# Altium PCB PCB1.PcbDoc (part 1 of 5) (continued)
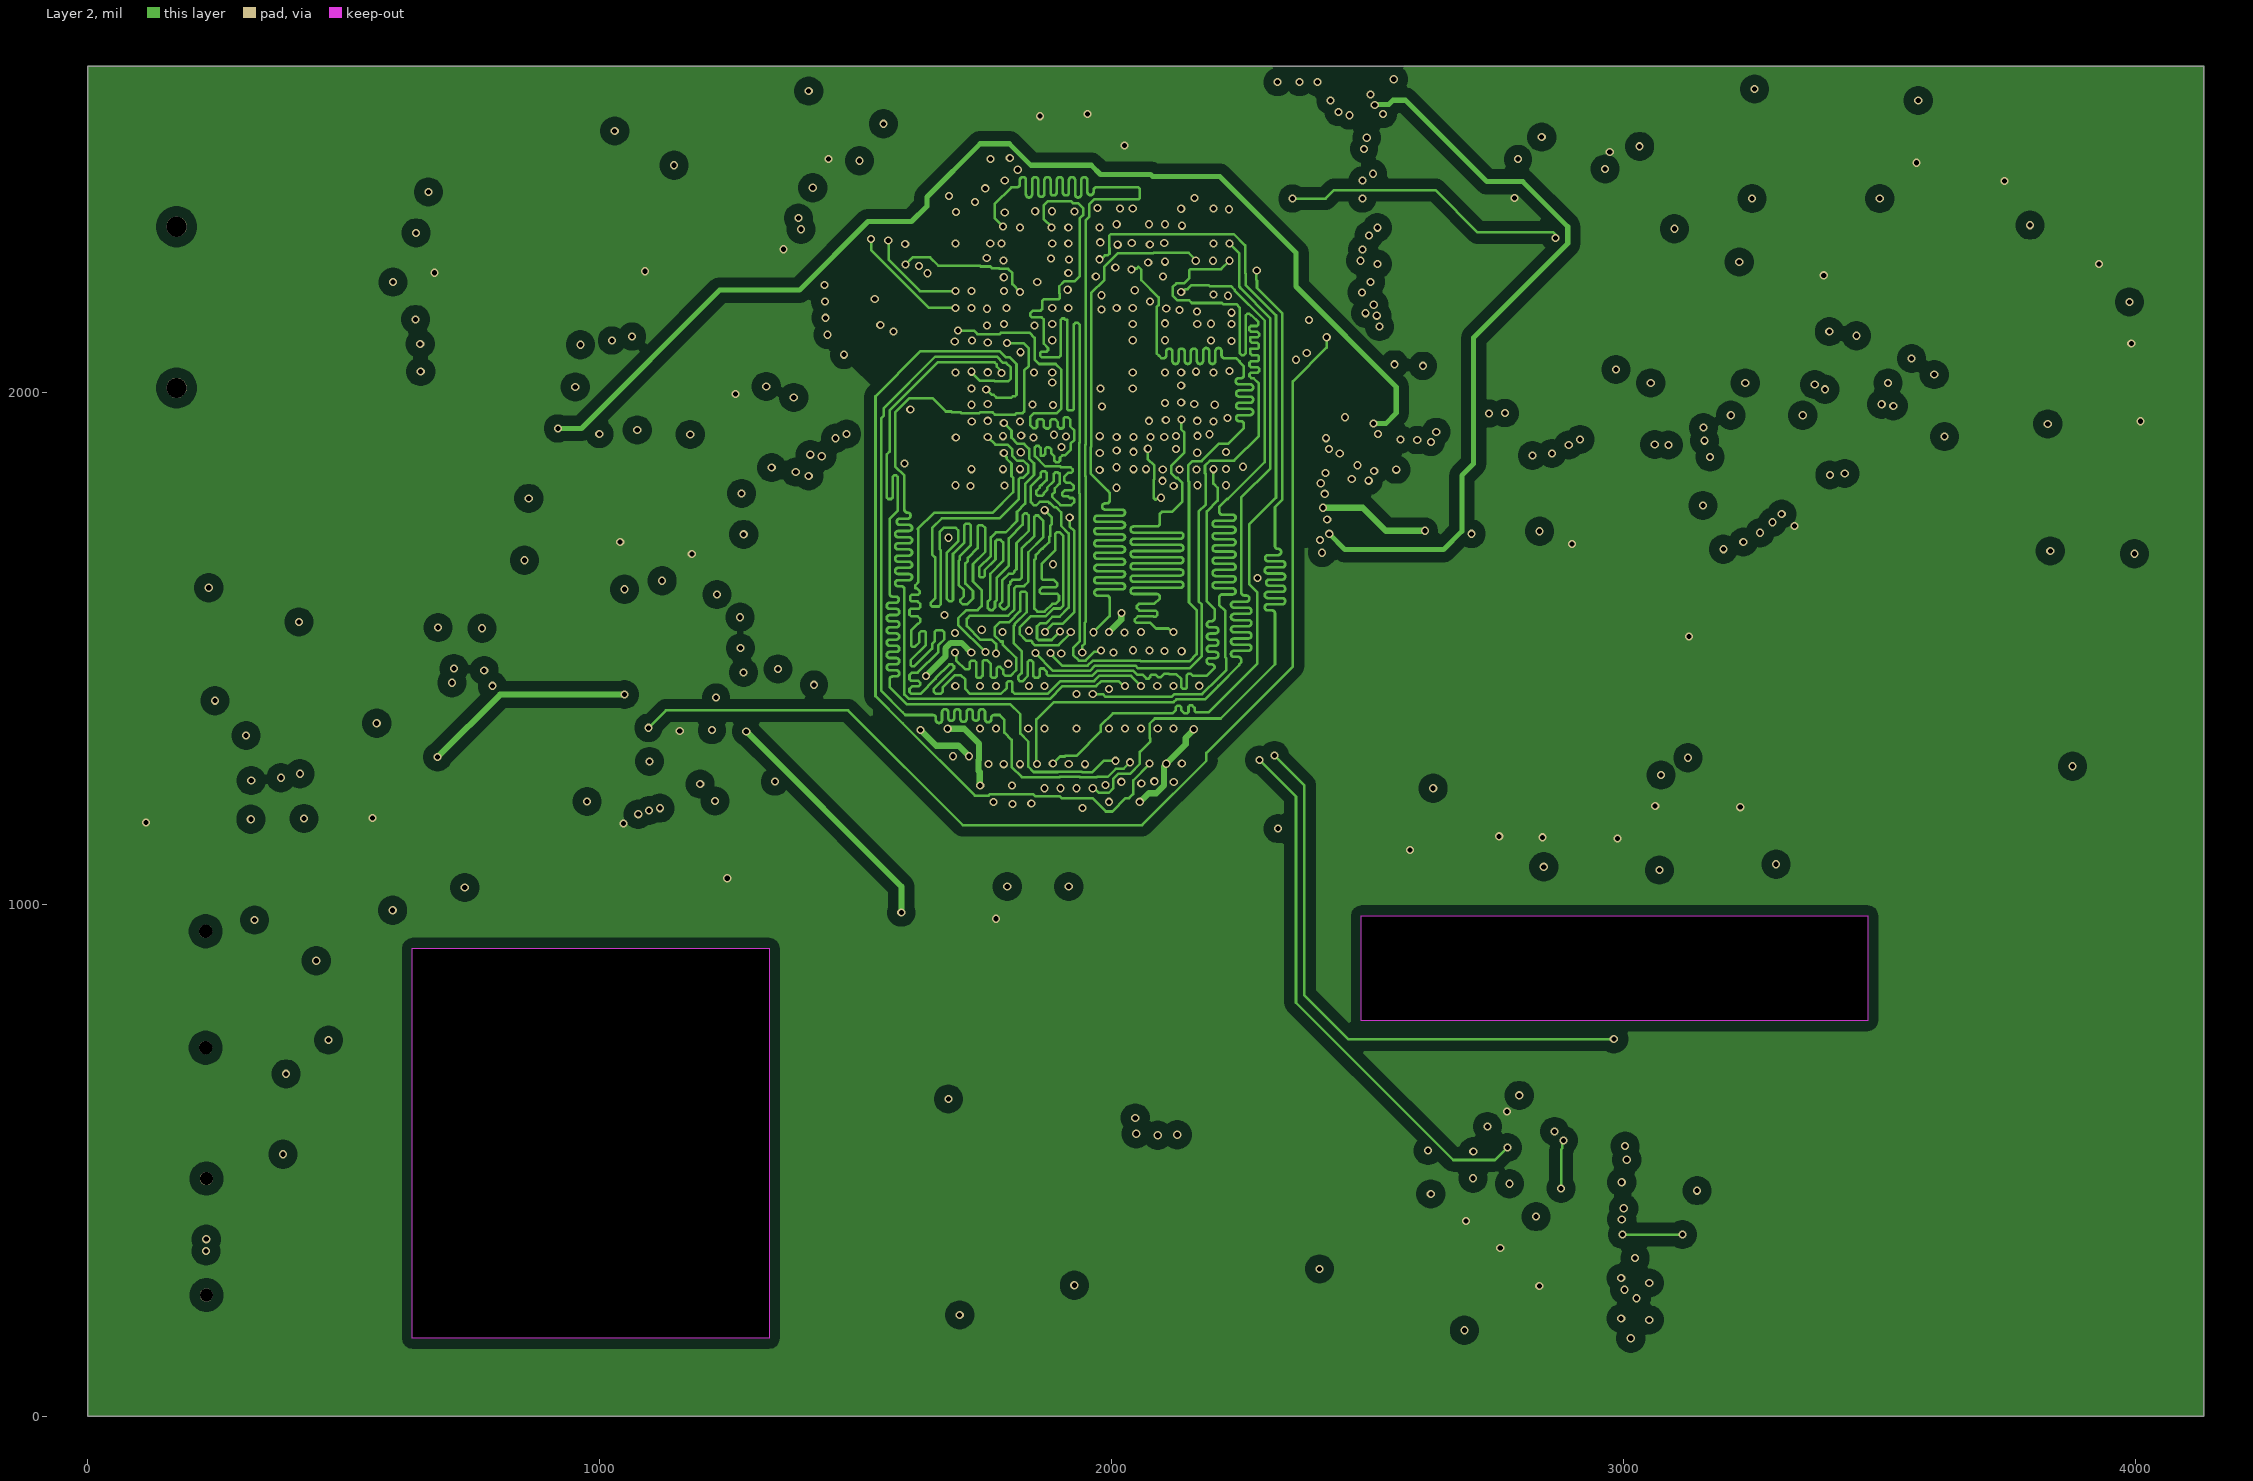
[diagram p4: Layer 2]
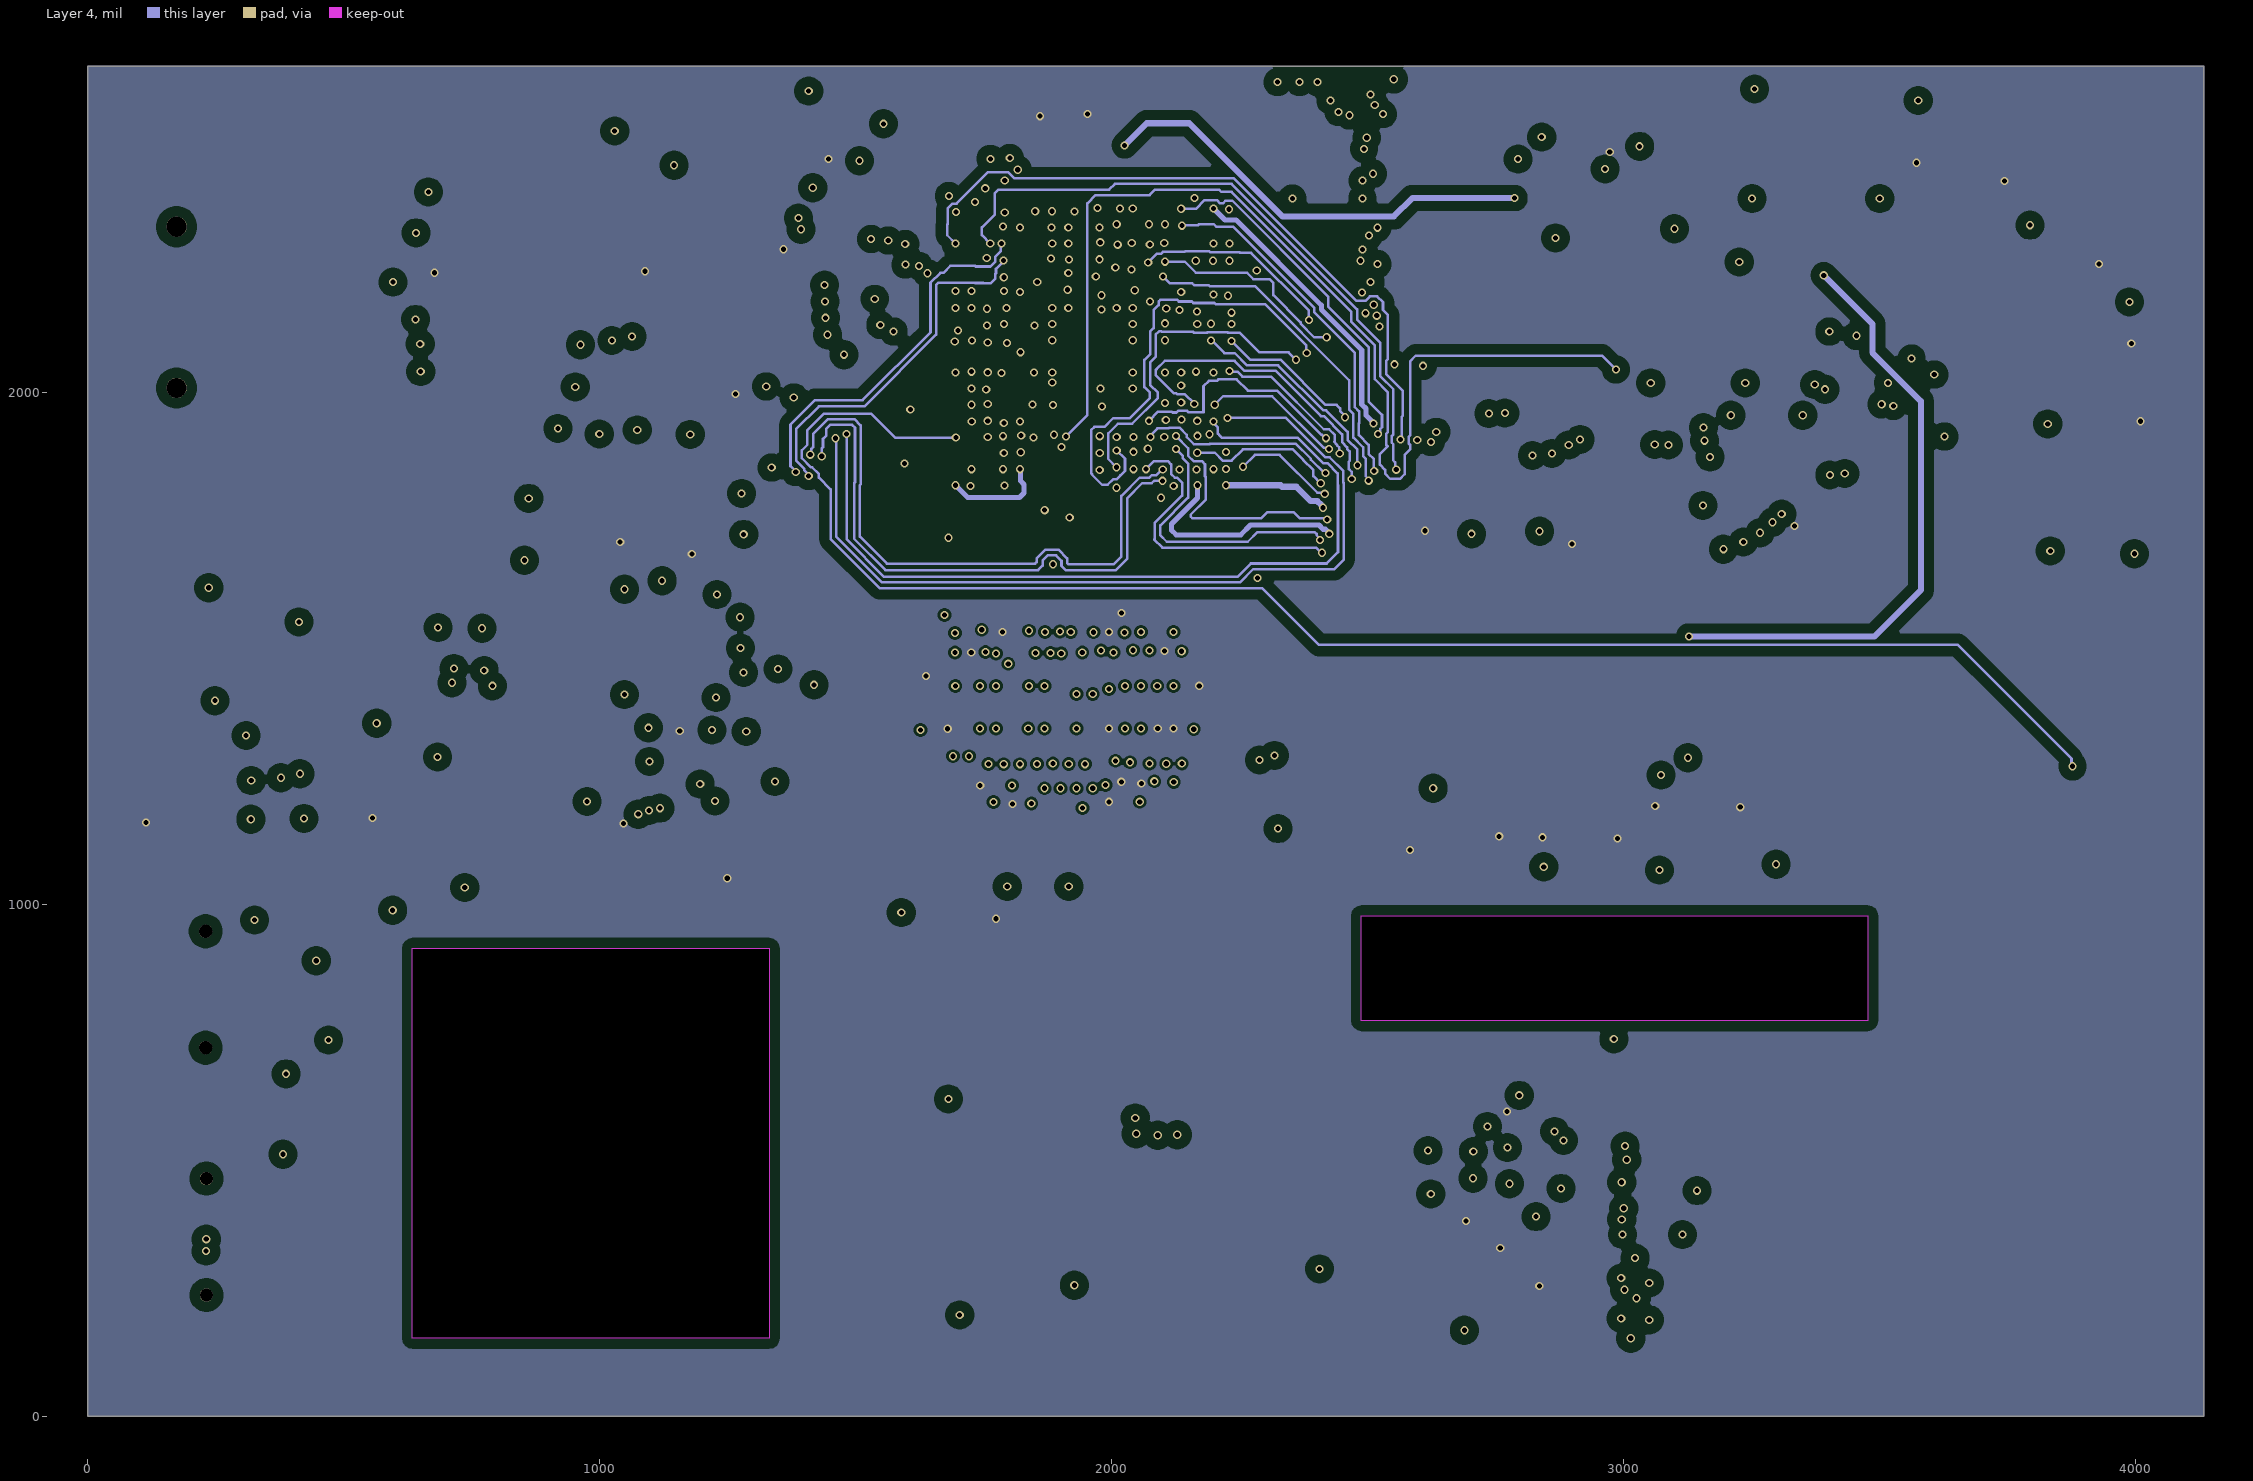
[diagram p5: Layer 4]

## Layer stack, top to bottom
Top Solder: solder mask 0.4, Solder Resist, Dk 3.5
Top Layer: signal copper 1.4
Dielectric 2: prepreg 2.8, PP-006, Dk 4.1
Layer 3: signal copper 1.378
Dielectric 4: prepreg 2.8, PP-006, Dk 4.1
Layer 1: signal copper 1.378
Dielectric 1: dielectric 12.6, FR-4, Dk 4.8
Layer 2: signal copper 1.378
Dielectric 5: prepreg 2.8, PP-006, Dk 4.1
Layer 4: signal copper 1.378
Dielectric 3: prepreg 2.8, PP-006, Dk 4.1
Bottom Layer: signal copper 1.4
Bottom Solder: solder mask 0.4, Solder Resist, Dk 3.5

## Board outline
0,0 0,2637.8 4133.86,2637.8 4133.86,0
cut-out: 634,152 634,914 1331,914 1331,152
cut-out: 2488,773 2488,978 3477,978 3477,773

## Design rules (kind name [scope] priority, off if disabled: settings)
Clearance bga_room [WithinRoom('Room_bga')] p1: gap=5 ignorepadtopadclearanceinfootprint=FALSE
Clearance poly-poly [inpoly] p2: gap=20 ignorepadtopadclearanceinfootprint=FALSE
Clearance inpoly [inpoly] p3: gap=20 ignorepadtopadclearanceinfootprint=FALSE
Clearance [All] p4: gap=6 ignorepadtopadclearanceinfootprint=FALSE
DiffPairsRouting [All] p1: maxlimit=5 minlimit=5 mostfreqgap=5 toplayer_minwidth=15 toplayer_maxwidth=15 toplayer_prefwidth=15 midlayer1_minwidth=15 midlayer1_maxwidth=15 midlayer1_prefwidth=15 midlayer2_minwidth=15 midlayer2_maxwidth=15 midlayer2_prefwidth=15 midlayer3_minwidth=15 midlayer3_maxwidth=15 midlayer3_prefwidth=15 midlayer4_minwidth=15 midlayer4_maxwidth=15 midlayer4_prefwidth=15 bottomlayer_minwidth=15 bottomlayer_maxwidth=15 bottomlayer_prefwidth=15 maxuncoupledlength=500
PlaneClearance [All] p1: clearance=5
PolygonConnect [All] p1: thpad.connectstyle=Relief thpad.reliefconductorwidth=10 thpad.reliefentries=4 thpad.polygonreliefangle="90 Angle" thpad.airgapwidth=10 smdpad.connectstyle=Relief smdpad.reliefconductorwidth=10 smdpad.reliefentries=4 smdpad.polygonreliefangle="90 Angle" smdpad.airgapwidth=10 via.connectstyle=Direct via.reliefconductorwidth=10 via.reliefentries=4 via.polygonreliefangle="90 Angle" via.airgapwidth=10
RoomDefinition Room_bga_1 [InComponentClass('Room Definition 1')] p1: confinementstyle=ConfineIn formatcopy=TRUE lockcomponents=FALSE outline 1636.54,1760.55 1636.54,2412.44 2288.43,2412.44 2288.43,1760.55
RoomDefinition Room_bga [InComponentClass('Room Definition 2')] p2: confinementstyle=ConfineIn formatcopy=TRUE lockcomponents=FALSE outline 1591.77,1175.2 1591.77,1594.8 2208.23,1594.8 2208.23,1175.2
RoutingVias 16-8 [WithinRoom('Room_bga')] p1: holewidth=8 width=16 viastyle="Through Hole" minholewidth=8 minwidth=16 maxholewidth=10 maxwidth=16
RoutingVias [All] p2: holewidth=8 width=16 viastyle="Through Hole" minholewidth=8 minwidth=16 maxholewidth=14 maxwidth=28
SilkToSolderMaskClearance [IsPad] p1: minsilkscreentomaskgap=2 clearancetoexposedcopper=TRUE
SolderMaskExpansion [All] p1: expansion=4 istentingtop=FALSE
Width 12mil [(InNet('+3.3') or InNet('GND') or InNet('VDDA') or InNet('VREF') or InNet('VBAT') or InNet('+5') or InNet('+1.8'))] p1: maxlimit=14 minlimit=10 preferedwidth=12
Width bga_room2 [WithinRoom('Room_bga')] p2: maxlimit=5 minlimit=5 preferedwidth=5
Width [All] p3: maxlimit=5 minlimit=5 preferedwidth=5
27 further rules are at their usual default settings.

## Classes and differential pairs
net class SDRAM: "FMC_A0 / PF0" "FMC_A1 / PF1" "FMC_A2 / PF2" "FMC_A3 / PF3" "FMC_A4 / PF4" "FMC_A5 / PF5" "FMC_A6 / PF12" "FMC_A7 / PF13" "FMC_A8 / PF14" "FMC_A9 / PF15" "FMC_A10 / PG0" "FMC_A11 / PG1" "FMC_BA0 / PG4" "FMC_BA1 / PG5" "FMC_D0 / PD14" "FMC_D1 / PD15" "FMC_D2 / PD0" "FMC_D3 / PD1" "FMC_D4 / PE7" "FMC_D5 / PE8" "FMC_D6 / PE9" "FMC_D7 / PE10" "FMC_D8 / PE11" "FMC_D9 / PE12" "FMC_D10 / PE13" "FMC_D11 / PE14" "FMC_D12 / PE15" "FMC_D13 / PD8" "FMC_D14 / PD9" "FMC_D15 / PD10" "FMC_D16 / PH8" "FMC_D17 / PH9" "FMC_D18 / PH10" "FMC_D19 / PH11" "FMC_D20 / PH12" "FMC_D21 / PH13" "FMC_D22 / PH14" "FMC_D23 / PH15" "FMC_D24 / PI0" "FMC_D25 / PI1" "FMC_D26 / PI2" "FMC_D27 / PI3" "FMC_D28 / PI6" "FMC_D29 / PI7" "FMC_D30 / PI9" "FMC_D31 / PI10" "FMC_NBL0 / PE0" "FMC_NBL1 / PE1" "FMC_NBL2 / PI4" "FMC_NBL3 / PI5" "FMC_SDCKE0 / PH2" "FMC_SDCLK / PG8" "FMC_SDNCAS / PG15" "FMC_SDNE0 / PH3" "FMC_SDNRAS / PF11" "FMC_SDNWE / PC0"
net class out_pins: PB13
component class "Room Definition 2": U3
component class "Room Definition 1": U2
net class PWR: +1.5 +1.8 +2.8 +3.3 +5 AF-2.8V GND L3.3V VBAT VBAT-EXT VDDA VREF

## Components (designator, comment, footprint, x,y, rotation, side; value= is the part's Value field where it differs from the comment)
1 "0.1UF" C0603_L 2728,1129 r180 top
2 "10UF" C0603_L 2729.54,1068 r180 top
3 "0.1UF" C0603_L 2842,1102 r270 top
4 "10UF" C0603_L 2841,1225 r90 top
5 "0.1UF" C0603_L 3472.13,2238 r0 top
6 "10UF" C0603_L 4015.54,2100 r0 top
7 "1UF" C0603_L 3371.58,2160.54 r270 top
8 "CAT4139" SOT-23(OT)5_LEAD 3616.58,2278 r90 top
9 "0.1UF" C0603_L 3471.58,2442 r0 top
10 "10UF" C0603_L 3472.04,2379 r0 top
11 "0.1UF" C0603_L 3186,1065 r180 top
12 "10UF" C0603_L 3185,1129 r180 top
13 "6.8NF" C0603_L 3470.58,2172 r0 top
14 "0.1UF" C0603_L 3295,1231.54 r90 top
15 "10UF" C0603_L 3298,1107 r270 top
16 "0.1UF" C0603_L 2962.46,1064 r180 top
17 "10UF" C0603_L 2962,1128 r180 top
18 "0.1UF" C0603_L 3066,1225 r90 top
19 "10UF" C0603_L 3071,1099 r270 top
20 "1UF" C0603_L 968,1311 r270 top
21 "0.1UF" C0603_L 2758.98,357.3 r90 top
22 "10UF" C0603_L 2828.98,355.3 r90 top
23 "0.1UF" C0603_L 1031,1310 r270 top
24 "1UF" C0603_L 2659.53,166.3 r0 top
25 "100pF" C0603_L 2801.98,598.8 r0 top
26 "100pF" C0603_L 2659.53,382.3 r180 top
27 "1UF" C0603_L 2659.53,237.3 r0 top
28 "100PF" C0603_L 1158,1310 r270 top
29 "100PF" C0603_L 1348,1308 r270 top
C1 "2.2UF" C0603_L 1478.54,2456 r0 top
C2 "2.2UF" C0603_L 1478.54,2579 r0 top
C3 "2.2UF" C0603_L 1478.54,2517.5 r0 top
C4 "22PF" C0603_L 108,1533 r270 top
C5 "22PF" C0603_L 108,1417 r90 top
C6 "0.1UF" C0603_L 1293,2099 r180 top
C7 "0.1UF" C0603_L 1293,2037 r180 top
C8 "0.1UF" C0603_L 1293,2161 r180 top
C9 "100NF" C0603_L 624,1197.46 r90 top
C10 "100NF" C0603_L 171,1646 r90 top
C11 "100NF" C0603_L 490,1198.46 r270 top
C12 "100NF" C0603_L 107,1646.46 r90 top
C13 "1UF" C0603_L 1291.46,2266 r180 top
C14 "0.1UF" C0402_M 2146,1343 r0 bottom
C15 "100NF" C0603_L 136,1325 r0 top
C16 "0.1UF" C0402_M 2161,1425 r180 bottom
C17 "0.1UF" C0402_M 1995,1560 r90 bottom
C18 "0.1UF" C0402_M 1638,1425 r0 bottom
C19 "0.1UF" C0402_M 2027,1561.19 r270 bottom
C20 "0.1UF" C0402_M 2055,1211 r270 bottom
C21 "0.1UF" C0402_M 1744,1216 r270 bottom
C22 "0.1UF" C0402_M 1995,1211.19 r90 bottom
C23 "0.1UF" C0402_M 1638,1341 r180 bottom
C24 "0.1UF" C0402_M 1806,1210.81 r90 bottom
C25 "0.1UF" C0603_L 1184,2306 r90 top
C26 "0.1UF" C0402_M 2010,2189 r90 bottom
C27 "0.1UF" C0402_M 1914,2189 r90 bottom
C29 "0.1UF" C0402_M 1860,2133 r180 bottom
C30 "0.1UF" C0402_M 2045,2188 r90 bottom
C31 "0.1UF" C0402_M 1886,1987 r270 bottom
C32 "0.1UF" C0402_M 1981,1985 r270 bottom
C33 "0.1UF" C0402_M 1860.19,2039 r180 bottom
C34 "0.1UF" C0402_M 1861,2165 r180 bottom
C35 "0.1UF" C0402_M 1859,2102 r180 bottom
C36 "0.1UF" C0603_L 2885,2549 r90 top
C37 "0.1UF" C0603_L 3155,2428 r270 top
C38 "22PF" C0603_L 1866.94,2514.16 r270 top
C39 "22PF" C0603_L 2093.94,2515.61 r90 top
C40 "6PF" C0603_L 2220,2413 r180 top
C41 "22PF" C0603_L 2104,2414 r0 top
C42 "0.1UF" C0603_L 2948,2549 r90 top
C43 "10UF" C0603_L 1308.72,1935.31 r0 top
C44 "0.1UF" C0603_L 891.26,1579.31 r0 top
C45 "10UF" C0603_L 1308.72,1764.31 r180 top
C46 "0.1UF" C0603_L 1308.72,1679.31 r180 top
C47 "0.1UF" C0603_L 911.72,1899.31 r270 top
C48 "10UF" C0603_L 885.72,1746.31 r0 top
C49 "22PF" C0603_L 882.72,1671.31 r0 top
C50 "22PF" C0603_L 1199.72,1607.31 r0 top
C51 "10UF" C0603_L 801.26,1838.31 r180 top
D1 "SS14" SMA 3815,2154 r180 top
D2 "SS24" SMA 3493.42,2557 r180 top
D3 "1N4007" SMA 3254,2512 r90 top
D4 "1N4007" SMA 855,1303 r90 top
D5 "BAT54C" SOT23-3N 1034.72,1879.31 r180 top
E1 "68UF" "CE A(3*5.4)" 3743.58,2481 r90 top
E2 "220UF" "CE A(3*5.4)" 4037.58,2484 r90 top
E3 "220UF" "CE A(3*5.4)" 3891.58,2482 r90 top
FB1 "SCBG160808U501T" FB0603 2639,1182 r180 top
FB2 "SCBG160808U501T" FB0603 3143,1320 r180 top
FB3 "SCBG160808U501T" FB0603 2918,1322 r180 top
FB4 "120R@100MHz" FB0603 919,1810 r180 top
FB5 "CBG160808U121T" FB0805 1011,1410 r180 top
FB6 "SCBG160808U501T" FB0603 2618,463 r270 top
FB7 "SCBG160808U501T" FB0603 2665,110 r0 top
IC1 "OV5640" OV2640 3004.98,378.3 r270 top
JP1 "Header 5X2" HDR2.54-M-LS-2x5P 1932,368 r180 top
JP2 "Header3X2" HDR2.54-M-LS-2x3P 1904,812 r180 top
JP3 "CON-6P" FPC0.5-WT-6P 1127.2,1117.8 r0 top
L1 "2.2uH" L0805 3627.98,2138 r180 top
L2 "2.2uH" L0805 1063.12,1576.31 r0 top
L3 "2.2uH" L0805 1177.72,1881.71 r270 top
LED1 "绿色" LED0805_G 152,1160 r180 top
LED2 "绿色" LED0805_G 152,1246 r180 top
LED3 "绿色" LED0805_G 2787,2417.4 r270 top
LED4 "红色" LED0603_R 3927.58,2289 r270 top
LED5 "绿色" LED0805_G 4026.58,2177 r180 top
P1 "SD" "MICRO SD" 173,2166.48 r270 top
Q1 "SS8050" SOT23-3N 3043,2415 r180 top
Q2 "SS8050" SOT23-3N 2895,2415 r180 top
R1 "10K" R0603_L 1291.46,2329 r0 top
R2 "0" R0603_L 555,1198.46 r90 top
R3 "1k" R0603_L 284,1163 r180 top
R4 "10k" R0603_L 424,1198 r270 top
R5 "10k" R0603_L 467,1689 r180 top
R6 "1k" R0603_L 286.54,1244 r180 top
R7 "0" R0603_L 2542,356 r90 top
R8 "0" R0603_L 2476.25,356 r90 top
R9 "0" R0603_L 2410.5,356 r90 top
R10 "0" R0603_L 2344.75,356 r90 top
R11 "0" R0603_L 2279,356 r90 top
R12 "1K" R0805_L 466,552.4 r270 top
R13 "22R" R0805_L 384,552.4 r90 top
R14 "22" R0603_L 502,1003 r270 top
R15 "1K" R0805_L 466,705.64 r270 top
R16 "22R" R0805_L 384,705.64 r90 top
R17 "22" R0603_L 563,1003 r270 top
R18 "1.5k" R0603_L 663,1034 r180 top
R19 "10k" R0603_L 713.46,2357 r180 top
R20 "10k" R0603_L 712,2292 r180 top
R21 "10k" R0603_L 714,2158 r180 top
R22 "10k" R0603_L 714,2093 r180 top
R23 "10k" R0603_L 714,2028 r180 top
R24 "10k" R0603_L 3876,1210 r90 top
R25 "10k" R0603_L 3042,2281 r270 top
R26 "10k" R0603_L 3141,2551.46 r270 top
R27 "10k" R0603_L 3076,2550 r270 top
R28 "0" R0603_L 3763.13,2256 r180 top
R29 "1k" R0603_L 3764.58,2320 r180 top
R30 "360" R0603_L 3483.46,2111 r180 top
R31 "1k" R0603_L 2979,2281 r270 top
R32 "10k" R0603_L 3473.58,2312 r180 top
R33 "7.5R" R0603_L 3856.58,2290 r270 top
R34 "10k" R0603_L 3013,2549.54 r270 top
R35 "1k" R0603_L 3998.58,2286.46 r90 top
R36 "0" R0603_L 1308.72,1850.31 r180 top
R37 "1k" R0603_L 4065.58,2284 r90 top
R38 "10k" R0603_L 2706.98,488.84 r270 top
R39 "10k" R0603_L 2801.98,459.3 r180 top
R40 "2.7k" R0603_L 2802,663 r180 top
R41 "2.7k" R0603_L 2659.52,311.3 r0 top
R42 "39" R0603_L 2801.98,529.05 r180 top
R43 "39" R0603_L 2802,725 r180 top
R44 "39" R0603_L 1283,1425 r270 top
R45 "39" R0603_L 1221,1310 r270 top
R46 "2.7K" R0603_L 1220,1425 r270 top
R47 "2.7k" R0603_L 1094,1311 r270 top
R48 "2.7k" R0603_L 1284,1309 r90 top
R49 "10k" R0603_L 2798.98,99.3 r180 top
R50 "51k" R0603_L 1180.72,1716.31 r270 top
R51 "2.7k" R0603_L 1348,1427 r90 top
R52 "100k" R0603_L 772.72,1567.31 r90 top
R53 "10K" R0603_L 3609,2011 r0 top
R54 "100k" R0603_L 802.72,1918.31 r180 top
R55 "22k" R0603_L 774.72,1702.77 r90 top
R56 "1k" R0603_L 320,1705 r180 top
RP1 "120R排阻" 0603_4P 2474.75,2015 r180 top
RP2 "120R排阻" 0603_4P 2629.29,2015 r180 top
RP3 "120R排阻" 0603_4P 2783.83,2015 r180 top
RP4 "120R排阻" 0603_4P 2938.37,2015 r180 top
RP5 "120R排阻" 0603_4P 3092.92,2015 r180 top
RP6 "120R排阻" 0603_4P 3247.46,2015 r180 top
RP7 "120R排阻" 0603_4P 3402,2015 r180 top
SW1 "3x6x5" "SW SMD-3*6*2.5" 4005,1361 r90 top
SW2 "3x6x5" "SW SMD-3*6*2.5" 3833,1783 r270 top
SW3 "3x6x5" "SW SMD-3*6*2.5" 4003,1788 r90 top
U1 "STM32F103C8T6" LQFP48_N 462.88,1459.12 r0 top
U2 "STM32H750XBH6" IC_STM32H750XBH6 1962.48,2086.5 r270 top
U3 "MT48LC4M32B2B5-6A:L" BGA90C80P9X15_800X1300X100N 1900,1385 r90 top
U4 "ZX-TYPEC-WTM1628" USB-C-SMD_ZX-TYPEC-WTM1628 141.45,833.77 r270 top
U5 "ZX-TYPEC-WTM1628" USB-C-SMD_ZX-TYPEC-WTM1628 142.81,350.57 r270 top
U6 "W25Q256JWEIQ_C2980994" WSON-8_L8.0-W6.0-P1.27-TL-EP-1 1037.42,2301.59 r90 top
U7 "LN6206P282MR-G" SOT-23-3_L2.9-W1.3-P1.90-LS2.4-BR -14211.99,17824.4 r0 top
U8 "LN6206P282MR-G" SOT-23-3_L2.9-W1.3-P1.90-LS2.4-BR -13761.25,17824 r0 top
U9 "LN6206P152MR-G" SOT-23-3_L2.9-W1.3-P1.90-LS2.4-BR -13985.99,17822.4 r0 top
U10 "FPC-0.5-40P" CONN-SMD_FPC-0.5-40P 2984.37,1741.48 r0 top
U11 "TMI7003B" QFN-20_L3.0-W3.0-P0.40-BL-EP1.7 1049.72,1705.31 r90 top
X1 "8MHz" XTAL-3215-2P 179,1475 r270 top
X2 "26M" XTAL-3225-4P 1983.94,2516.16 r0 top
X3 "32.768KHZ" XTAL-3215-2P 2226,2481 r0 top
X4 "24M" OSC-3225-4P 2801.98,213.3 r90 top

## Footprints (in the part's own frame and the unit in brackets; to place one, negate y for a bottom-side part, rotate by r counter-clockwise, add the part's x,y. Pads: shape width x height; smd on the part's side, far side on the other; paste and mask are expansions set on the pad)
0603_4P [mm]
  rect 0.7x0.7 smd: 1(-1.25,-0.8) 4(1.25,-0.8) 5(1.25,0.8) 8(-1.25,0.8)
  rect 0.6x0.7 smd: 2(-0.4,-0.8) 3(0.4,-0.8) 6(0.4,0.8) 7(-0.4,0.8)
  silkscreen extent -1.55,-0.25 1.55,0.25
BGA90C80P9X15_800X1300X100N [mm]
  round 0.41 smd: A1(-3.2,5.6) A2(-2.4,5.6) A3(-1.6,5.6) A7(1.6,5.6) A8(2.4,5.6) A9(3.2,5.6) B1(-3.2,4.8) B2(-2.4,4.8) B3(-1.6,4.8) B7(1.6,4.8) B8(2.4,4.8) B9(3.2,4.8) C1(-3.2,4) C2(-2.4,4) C3(-1.6,4) C7(1.6,4) C8(2.4,4) C9(3.2,4) D1(-3.2,3.2) D2(-2.4,3.2) D3(-1.6,3.2) D7(1.6,3.2) D8(2.4,3.2) D9(3.2,3.2) E1(-3.2,2.4) E2(-2.4,2.4) E3(-1.6,2.4) E7(1.6,2.4) E8(2.4,2.4) E9(3.2,2.4) F1(-3.2,1.6) F2(-2.4,1.6) F3(-1.6,1.6) F7(1.6,1.6) F8(2.4,1.6) F9(3.2,1.6) G1(-3.2,0.8) G2(-2.4,0.8) G3(-1.6,0.8) G7(1.6,0.8) G8(2.4,0.8) G9(3.2,0.8) H1(-3.2,0) H2(-2.4,0) H3(-1.6,0) H7(1.6,0) H8(2.4,0) H9(3.2,0) J1(-3.2,-0.8) J2(-2.4,-0.8) J3(-1.6,-0.8) J7(1.6,-0.8) J8(2.4,-0.8) J9(3.2,-0.8) K1(-3.2,-1.6) K2(-2.4,-1.6) K3(-1.6,-1.6) K7(1.6,-1.6) K8(2.4,-1.6) K9(3.2,-1.6) L1(-3.2,-2.4) L2(-2.4,-2.4) L3(-1.6,-2.4) L7(1.6,-2.4) L8(2.4,-2.4) L9(3.2,-2.4) M1(-3.2,-3.2) M2(-2.4,-3.2) M3(-1.6,-3.2) M7(1.6,-3.2) M8(2.4,-3.2) M9(3.2,-3.2) N1(-3.2,-4) N2(-2.4,-4) N3(-1.6,-4) N7(1.6,-4) N8(2.4,-4) N9(3.2,-4) P1(-3.2,-4.8) P2(-2.4,-4.8) P3(-1.6,-4.8) P7(1.6,-4.8) P8(2.4,-4.8) P9(3.2,-4.8) R1(-3.2,-5.6) R2(-2.4,-5.6) R3(-1.6,-5.6) R7(1.6,-5.6) R8(2.4,-5.6) R9(3.2,-5.6)
  silkscreen extent -4.65,-6.55 4.05,6.55
C0402_M [mm]
  rect 0.6x0.55 smd: 1(-0.475,0) 2(0.475,0)
  silkscreen extent -0.87,-0.46 0.87,0.46, body extent -0.5,-0.25 0.5,0.25, height 0.5
C0603_L [mm]
  rect 0.75x0.85 smd: 1(-0.725,0) 2(0.725,0)
  silkscreen extent -1.35,-0.69 1.35,0.69, body extent -0.8,-0.4 0.8,0.4, height 0.8
"CE A(3*5.4)" [mm]
  rect 1.5x0.8 smd: 1(1.651,0)
  oval 1.5x0.8 smd: 2(-1.65,0)
  silkscreen extent -1.65,-1.65 1.8,1.65, body extent -1.9,-1.65 1.9,1.65, height 5.45
CONN-SMD_FPC-0.5-40P [mm]
  rect 0.3x1.8 smd paste+0 mask+0.05: 1(-9.75,2.188) 2(-9.25,2.188) 3(-8.75,2.188) 4(-8.25,2.188) 5(-7.75,2.188) 6(-7.25,2.188) 7(-6.75,2.188) 8(-6.25,2.188) 9(-5.75,2.188) 10(-5.25,2.188) 11(-4.75,2.188) 12(-4.25,2.188) 13(-3.75,2.188) 14(-3.25,2.188) 15(-2.75,2.188) 16(-2.25,2.188) 17(-1.75,2.188) 18(-1.25,2.188) 19(-0.75,2.188) 20(-0.25,2.188) 21(0.25,2.188) 22(0.75,2.188) 23(1.25,2.188) 24(1.75,2.188) 25(2.25,2.188) 26(2.75,2.188) 27(3.25,2.188) 28(3.75,2.188) 29(4.25,2.188) 30(4.75,2.188) 31(5.25,2.188) 32(5.75,2.188) 33(6.25,2.188) 34(6.75,2.188) 35(7.25,2.188) 36(7.75,2.188) 37(8.25,2.188) 38(8.75,2.188) 39(9.25,2.188) 40(9.75,2.188)
  rect 2.5x3.3 smd paste+0 mask+0.05: 41(-11.65,0.188) 42(11.65,0.188)
  silkscreen extent -12.8,-3.14 12.8,2.9
FB0603 [mm]
  rect 0.75x0.85 smd: 1(-0.725,0) 2(0.725,0)